# KiCad board AmigaPCI Mainboard.kicad_pcb (continued)
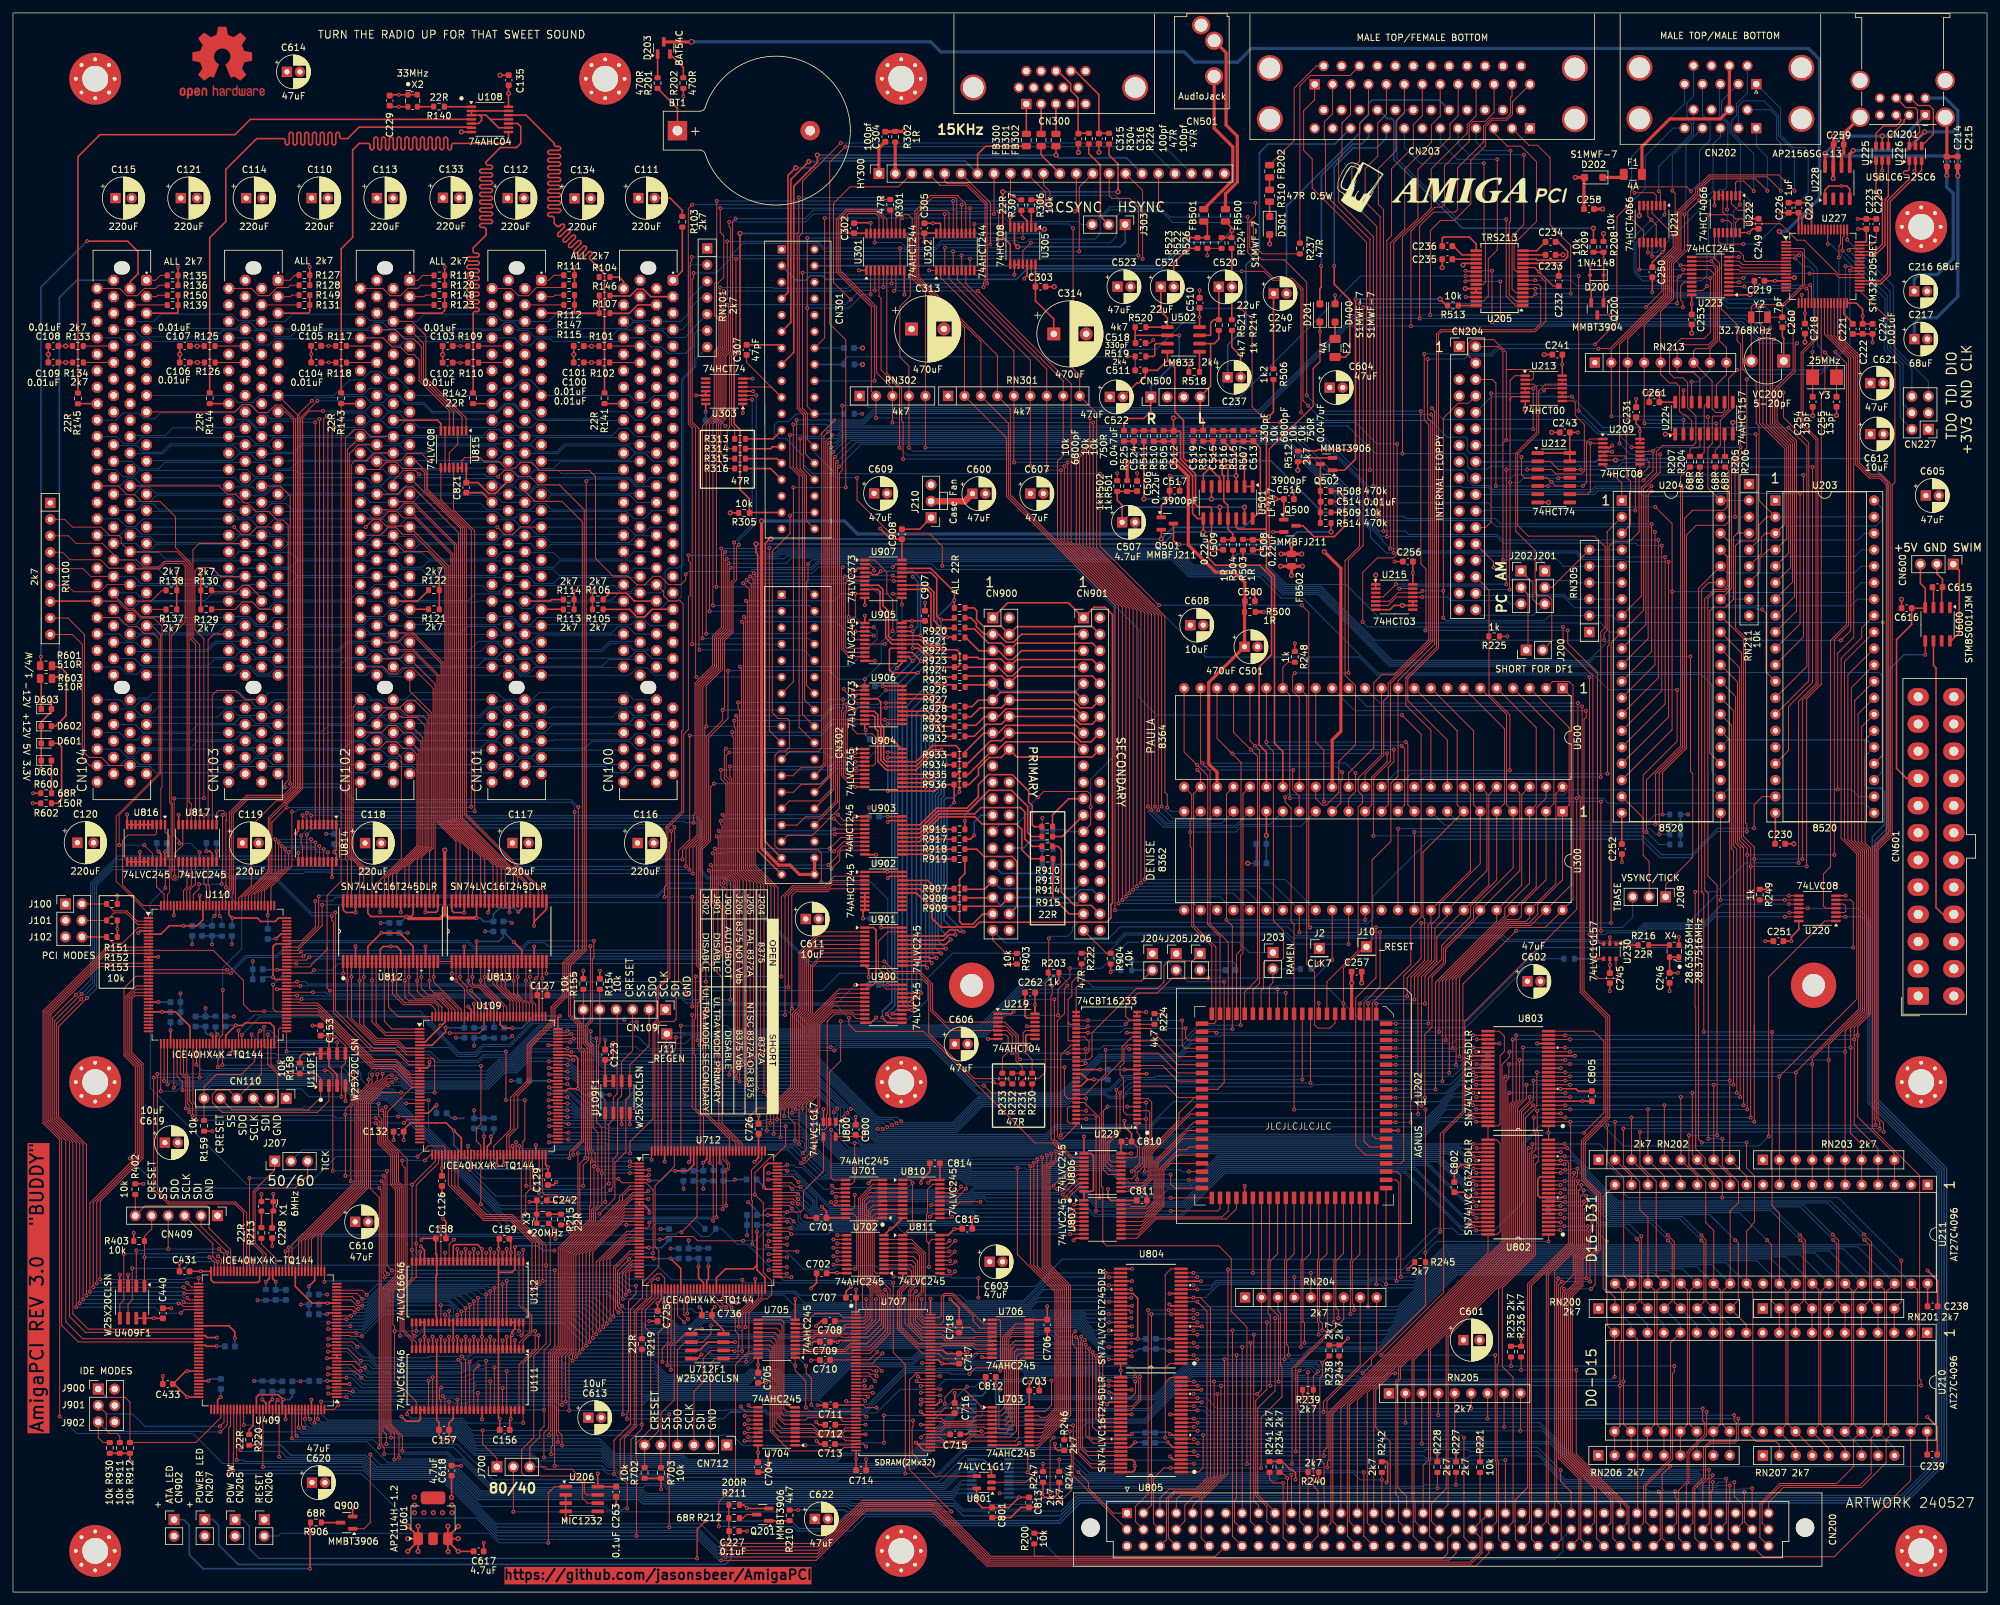
[diagram p0: board, top side]
## Routing (per net, layer and track width the routed paths; a pad name or vN(x,y) marks a point on that pad's centre or on a via; arc(x,y) is an arc through that point) (continued)
+5V: length 359.7
  Top w0.15: 9.22,189.86 v2(8.13,189.86) C109.1 ; 90.48,189.86 v2(89.33,189.86) C100.1 ; 49.81,192.43 v1(48.72,192.43) C105.1 ; R125.2 28.47,192.41 v2(28.45,192.38) 28.42,192.41 C107.1 ; C108.1 v2(8.13,192.41) R133.2 ; C103.1 v1(69.09,192.41) R109.2 ; C104.1 v1(48.74,189.86) 49.81,189.86 ; R224.1 v1(177.51,89.31) ; C101.1 89.31,192.41 v2(89.33,192.38) 89.36,192.41 R101.2 ; C106.1 v2(28.47,189.86) R126.2 ; C102.1 69.06,189.84 v1(69.09,189.81) 69.11,189.84 R110.2 ; U202.19 v1(201.61,90.94)
  Top w0.2: v1(230.75,147.57) 230.75,147.57 R225.1 ; U222.14 v1(268.02,209.91)
  Top w0.25: U812.42 54.8,104.81 55.29,104.31 v1(60.8,104.31) 61.47,104.31 61.78,104.63 U812.31 ; v1(129.99,119.77) 130,119.76 U903.1 ; v1(157.81,90.68) 157.8,90.67 U219.14 ; v1(157.81,90.68) 157.81,89.32 ; v1(157.81,90.68) 157.81,92.2 ; v1(3.05,121.81) 3.06,121.8 R600.1 ; 259.2,200.3 259.2,198.91 v1(259.21,198.9) 259.2,198.89 C253.1 ; R242.1 212.06,20.12 212.25,19.93 212.25,17.08 v1(212.07,16.9) ; U803.7 242.32,75.81 v1(242.32,75.81) 243.77,75.81 ; v1(112.69,182.08) 112.68,182.09 U303.1 ; U813.42 71.58,104.1 v1(71.57,104.09) ; v1(89.47,154.56) 89.47,154.55 R105.1 ; 216.15,159.12 v1(216.15,157.4) 216.15,155.61 ; R249.1 270.95,108.52 v1(270.96,108.52) ; C250.1 253.12,205.35 254.68,206.91 v1(254.7,206.91) 254.7,206.93 255.02,207.25 U221.14 ; 65.81,157.71 65.76,157.76 v1(65.83,157.76) 65.83,157.69 65.82,157.7 R122.1 R121.1 ; R247.1 v1(159.03,14.69) 159.08,14.63 160.81,14.63 161.54,15.37 R244.1 ; 238.35,206.48 v2(239.31,206.49) ; v2(254.2,185.1) C261.2 U224.16 ; R305.2 v2(110.76,166.65) ; v1(135.08,119.76) 135.08,119.76 U903.20 ; R236.1 v1(232.85,39.14) ; v1(78.03,105.04) 78.56,105.57 U813.31 ; CN103.A5 45.59,197.48 45.83,197.72 R131.1 R149.1 ; 25.47,200.24 25.47,197.58 25.38,197.48 CN104.A5 ; C249.1 268.63,210.51 v1(268.02,209.91) ; CN102.A5 66.25,197.48 66.66,197.89 R123.1 R148.1 ; R228.1 219.93,21.33 v1(219.94,21.34) ; R248.1 v1(197.92,146.5) ; C263.1 90.3,16.28 ; v1(160.88,22.89) 160.88,22.29 161.31,21.85 R246.1 ; v1(171.61,80.68) 173.55,80.68 ; U805.7 179.1,22.34 v1(178.31,23.13) ; 216.44,50.89 v1(215.41,49.85) ; U805.18 183.52,29.33 v1(183.54,29.31) ; U802.7 239.63,59.04 v1(239.63,59.04) ; R240.1 v1(201.6,17.22) ; U209.13 U209.14 251.21,179.22 v1(251.2,179.23) 251.21,179.24 251.21,179.81 250.62,180.4 C231.1 ; R129.1 R130.1 29.01,157.61 v1(28.99,157.63) ; R238.1 204.77,38.12 ; v1(199.11,29.96) 199.12,29.97 R239.1 ; Q201.2 113.37,12.91 v1(113.3,12.97) 112.81,13.46 R212.1 ; R107.1 R146.1 ; v1(106.96,182.27) 106.96,183.48 ; U803.18 241.15,82.79 v1(241.16,82.8) ; R227.1 222.81,21.33 v1(222.8,21.34) ; U205.11 238.15,205.17 238.66,204.66 v1(238.67,204.66) C232.1 ; v1(241.62,179.07) C243.2 U212.13 ; v1(25.29,157.54) R138.1 R137.1 ; U205.25 U205.24 224.24,201.27 v2(224.23,201.28) ; v1(239.58,66.08) 239.52,66.02 U802.18 ; R904.2 v1(169.48,95.7) ; D301.2 194.04,208.19 ; R147.1 R115.1 86.7,197.74 86.44,197.48 86.02,197.48 ; v1(156.15,202.82) 156.58,203.25 U305.12 ; U303.4 114.27,185.43 v1(114.28,185.42) ; 205.06,38.12 v1(206.12,39.18) ; C245.1 v1(246.56,96.83) 246.56,98 ; U804.18 178.61,46.1 v1(178.58,46.07) ; 137.24,111.21 v1(134.99,111.21) 134.97,111.19 U902.1 ; R903.2 v1(153.72,96.96) ; v1(167.84,80.69) 164.16,80.67 ; U213.14 239.21,189.56 v1(239.2,189.57) 239.21,189.59 239.21,191.06 ; R113.1 v1(86.64,154.55) ; v1(90.3,18.3) 90.29,18.3 U206.8 ; R235.1 232.84,37.95 ; v1(178.54,39.1) 180.35,39.1 ; v1(198.02,17.36) 198.04,17.38 198.04,18.38 197.51,18.91 197.21,18.91 195.96,20.16 R234.1 R241.1 ; 248.41,115.58 U204.20 ; U212.1 U212.14 ; 86.02,197.48 90.52,197.48 ; 86.02,197.48 CN101.A5 ; U209.4 v1(246.93,176.1) ; C238.1 U211.40 ; 272.12,115.59 272.12,120.26 ; C239.1 295.56,24.78 ; U300.19 v2(193.53,116.84) ; R306.1 v2(158.61,214.99)
  Top w0.5: R500.1 v1(193.14,151.35) ; v2(66.67,114.57) 66.67,104.71 ; 66.67,104.71 67.29,104.09 v1(71.57,104.09) ; 66.67,104.71 65.96,104 61.12,104 v1(60.8,104.31) ; v2(281.05,218.28) 281.06,218.29 U228.7 281.06,223.47 ; v2(137.64,225.56) 137.63,225.55 R302.2 ; C257.1 206.69,94.06 v2(206.7,94.05) 206.69,94.04 U202.15 ; C258.1 242.56,218.33 ; v2(281.1,224.82) 281.12,224.8 C259.1 ; C304.1 136.18,225.51 ; D202.2 v2(241.22,218.44)
  Bottom w0.15: R223.1 R229.1
  Bottom w0.25: C306.1 v1(106.96,182.27) ; v1(178.31,23.13) 176.34,23.13 ; v1(78.03,105.04) 77.47,105.6 75.09,105.6 74.18,104.69 C816.1 72.68,103.55 72.14,104.09 v1(71.57,104.09) ; R308.2 v2(131.18,189.56) ; v1(169.48,95.7) 169.8,96.02 R229.1 ; v1(134.99,111.21) 134.79,111.41 C902.1 ; 158.94,117.71 v1(158.94,119.52) ; 133.74,119.77 135.06,119.77 ; C807.1 178.53,39.11 v1(178.54,39.1) ; R300.2 v1(131.13,181.94) ; 59.81,103.33 v1(60.8,104.31) ; v2(201.71,97.07) 200.85,96.21 RJ203.1 ; v2(193.53,116.84) C301.1 ; v1(167.84,80.69) C267.1 v1(171.61,80.68) ; v1(239.63,59.04) 237.05,59.04
  vias: v2(194.03,208.18)
+12V: length 656
  Top w0.25: 4.29,142.86 4.29,144.41 v1(4.32,144.44) ; D400.2 v1(204.14,200.25) ; CN104.A2 18.08,202.33 19.31,203.56 19.31,206.99 17.7,208.6 v1(11.43,208.6) ; R503.1 v1(189.91,159.62)
  Top w1: J210.2 146.97,168.44 C600.1
  In3.Cu w0.25: 197.13,241.38 197.13,207.26 v1(204.14,200.25) 204.14,194.48 195.01,185.36 195.01,173.42 191.63,170.03 191.63,165.89 189.91,164.17 v1(189.91,159.62)
  In3.Cu w1: J210.2 129.06,181.14 129.06,196.62 126.13,199.55 ; 126.13,199.55 126.13,209.92 122.97,213.08 110.19,213.08 109.05,211.94 88.48,211.94 86.71,213.71 C134.1 ; 126.13,199.55 CN301.10
  In3.Cu w2: CN601.10 CN601.11 291.32,136.89 291.32,144.85 303.6,157.13 303.8,157.13 303.54,157.39 303.54,238.15 300.31,241.38 190.97,241.38 186.54,236.95 183.79,236.95 179.57,241.17 74.98,241.17 66.39,232.58 C133.1
  Bottom w0.25: v1(4.32,144.44) 4.32,201.49 v1(11.43,208.6)
-12V: length 622
  Top w0.2: R504.2 188.37,159.7 v1(188.38,159.69) ; D201.1 201.79,194.67 v1(201.81,194.65) 201.81,190.01 200.75,188.95 200.75,183.12 197.41,179.78 197.26,179.78 193.96,176.48 193.96,162.08 194.16,161.88 v1(194.16,160.22)
  Top w0.25: 5.95,141.32 v1(7.16,141.32)
  In2.Cu w0.2: 198.44,241.43 198.44,205.02 201.81,201.65 v1(201.81,194.65)
  In2.Cu w2: CN601.14 302.18,96.24 303.57,97.63 303.57,238.16 300.3,241.43 191.02,241.43 186.54,236.95 183.75,236.95 179.45,241.25 63.61,241.25 ; 63.61,241.25 54.41,241.25 C121.2 ; 63.61,241.25 54.21,241.25 47.66,234.7 47.61,234.75 C614.2
  Bottom w0.2: v1(194.16,160.22) 191.78,160.22 191.68,160.32 189.01,160.32 v1(188.38,159.69)
  Bottom w0.25: v1(7.16,141.32) 7.16,199.88 9.84,202.56 CN104.B1
/Agnus Multiadapter/GND_PAL_NTSC: length 34.7
  Top w0.15: U202.41 185.97,77.62 187.01,78.66 v1(187.01,94.25)
  Bottom w0.15: v1(187.01,94.25) 181.39,94.25 J205.2 178.35,97.3 172.99,97.3
/HID and User Ports/+5VMOUSE: length 26.9
  Top w0.5: F1.2 251.51,223.19 255.81,227.48 263.61,227.48 CN202.16 CN202.7
/HID and User Ports/VBUS1: length 67
  Top w0.25: U225.5 288.61,224.82 v2(288.62,224.83) ; 279.79,222.14 v2(279.78,222.15)
  Top w0.5: C214.1 298.59,218.75 v2(298.58,218.74) ; U228.8 279.79,222.14
  Bottom w0.5: C216.1 293.54,202.72 294.27,203.45 297.11,203.45 299.59,205.93 299.59,215.96 298.58,216.97 v2(298.58,218.74) 298.58,221.23 298.05,221.76 280.17,221.76 v2(279.78,222.15) 282.46,224.83 v2(288.62,224.83) 292.02,224.83 CN201.1
/HID and User Ports/VBUS2: length 70
  Top w0.25: U226.5 293.75,224.06 v2(295.17,225.48)
  Top w0.5: v2(284.15,222.61) 283.6,222.06 U228.5 ; C215.1 300.25,218.73 v2(300.29,218.69)
  Bottom w0.5: CN201.5 298.35,230.7 300.29,228.76 300.29,226.25 ; C217.1 293.57,195.91 294.43,196.77 297.01,196.77 300.29,200.05 v2(300.29,218.69) 300.29,226.25 ; v2(284.15,222.61) 292.3,222.61 v2(295.17,225.48) 299.52,225.48 300.29,226.25
/Power and Spares/+5VSB: length 38.9
  Top w0.25: 293.15,151.92 295.25,151.92 295.25,155 294.51,155.74 CN600.3 ; C616.1 293.15,149.4 290.82,147.07 290.82,127.19 292.38,125.64 CN601.9
GND: length 917.1
  Top w0.15: v1(174.96,89.56) 174.96,89.56 U229.28 ; v1(263.96,211.8) 264.88,211.8 265.32,211.36 U222.12 ; v1(266.47,206.16) 266.46,206.15 U223.10 ; U707.12 132.35,37.35 135.05,40.05 135.05,46.3 v1(134.64,46.7) ; U227.18 v1(276.2,200.3) ; U807.19 172.42,59.83 172.72,59.53 174.81,59.53 175.08,59.8 C811.2 ; U707.6 131.56,40.35 133.23,42.01 v1(133.23,45.22) ; v1(140.29,45.22) 140.29,45.22 140.29,43.81 140.01,43.53 140.01,42.52 140.68,41.85 U707.84 ; v1(31.67,51.86) 32.21,51.32 32.21,50.79 32.09,50.67 U409.69 ; v1(123.23,35.75) 123.32,35.84 C710.2 ; v1(149.54,204.09) 149.54,204.09 U302.10 ; v1(131.78,27.07) 131.5,27.35 U707.32 ; U806.19 173.31,67.07 173.61,67.37 173.61,68.69 C810.2 ; U209.7 248.41,171.23 U204.1 ; U302.1 141.47,204.09 v1(141.47,204.09) ; v1(132.42,211.44) 132.42,211.44 U301.19 ; U111.53 U111.54 ; 38.76,84.75 38.76,87.25 v1(38.77,87.25) ; v1(137.73,45.22) 137.73,41.5 140.38,38.85 U707.78
  Top w0.2: C232.2 237.8,201.68 v1(235.58,203.9) 234.96,204.52 U205.10 ; U805.25 v1(171.03,34.23) U804.48
  Top w0.25: v1(172.79,48.01) 172.79,48 U804.28 ; U805.48 172.83,18.53 173.2,18.9 v1(173.2,19.5) 173.2,20.06 172.82,20.44 U805.45 ; C821.1 72.46,169.77 CN101.B28 ; C129.2 83.45,62.86 v1(83.91,63.32) ; C615.2 297.92,156.4 297.05,157.27 CN600.2 ; v1(124,41.08) 124.77,41.85 C708.2 ; v1(166.9,79.14) 165.91,79.14 ; 165.91,79.14 165.01,80.04 U229.44 ; 165.91,79.14 164.9,78.13 U229.47 ; U110.86 40.76,93.09 v1(40.75,93.08) ; v1(86.7,204.62) R111.2 R112.1 ; X2.2 59.6,229.36 v1(59.59,229.37) 59.58,229.36 58.33,229.36 ; 62.56,6.3 v2(62.55,6.29) ; 67.97,37.5 67.97,38.87 ; v1(295.61,49.65) 297.17,48.09 C238.2 ; v1(73.48,94.47) 73.48,94.47 U813.10 ; U206.2 U206.3 85.34,11.13 v1(85.36,11.12) ; U111.25 v1(63.53,39.43) U112.32 62.9,41.65 ; v1(80.46,102.88) 80.47,102.88 80.47,103.43 ; U109F1.4 95.25,72.2 v1(95.24,72.2) ; U109.14 U109.13 63.99,80.94 64.31,81.26 v1(64.31,81.83) ; U816.4 U816.10 17.63,120.06 v1(17.62,120.07) ; v1(19.33,101.79) 19.63,102.09 U110.5 ; U814.10 44.07,117.53 v1(43.66,117.12) ; v1(243.5,204.83) D200.2 243.5,201.06 243.68,200.88 Q200.2 ; R128.1 v1(45.83,204.63) ; v2(265.55,180.6) 265.54,180.59 U224.8 ; U111.32 62.9,28.1 62.9,26.64 62.64,26.39 60.7,26.39 v1(59.98,27.11) ; v1(238.99,67.93) 238.99,67.93 U802.21 ; C907.2 v1(140.82,152.78) ; v1(33.46,83.2) 33.84,83.58 U110.59 ; 82.43,60.23 83.66,60.23 v1(83.69,60.25) ; C802.2 223.96,61.75 v1(224.78,60.93) 224.79,60.94 227.75,60.94 ; U303.7 v1(114.21,187.38) ; C108.2 v2(5.46,191.11) C109.2 ; v1(239.63,61.01) 239.23,61.01 239.16,60.94 U802.10 235.75,60.94 235.44,61.25 235.44,63.81 235.75,64.12 U802.15 ; C715.2 147.22,24.35 147.71,24.84 v1(149.54,24.84) ; C500.2 v2(191.76,154.38) ; U219.9 156.51,86.06 156.38,85.93 156.38,84.34 v1(156.83,83.89) ; U707.58 142.56,28.85 v1(143.24,29.52) ; v1(124,26.27) 124.43,25.84 C712.2 ; C226.1 C220.2 277.18,214.54 277.7,214.02 277.7,212.85 v1(277.71,212.84) ; v1(151.08,19.22) 151.08,19.22 U801.3 ; v1(135.08,110.25) 135.37,110.54 U902.19 ; U220.7 v1(282.97,107.53) ; v1(171.61,72.76) 171.61,71.9 172.71,70.8 C810.2 ; R203.2 161.49,94.25 v1(161.48,94.24) ; C714.2 v1(131.72,20.5) ; v1(72.68,7.6) 72.69,7.59 C617.1 ; X1.2 38.35,61.45 v1(38.36,61.46) ; U712.69 114.62,48.35 v1(114.62,48.35) ; C228.2 v1(40.02,53.41) ; v1(277.71,212.84) 277.7,212.83 U227.60 ; v1(277.71,212.84) 276.96,212.84 276.2,212.08 U227.63 ; U409.103 v1(30.18,32.61) ; R136.1 R135.2 v1(25.48,204.57) ; v1(62.97,53.38) 63.53,52.82 U112.25 ; v1(51.34,75.81) 51.34,75.81 51.34,78.19 ; v1(109.54,45.27) 109.62,45.35 U712.59 ; U219.13 156.54,88.66 156.26,88.94 156.26,90.69 v1(156.27,90.69) 156.26,90.69 156.26,92.56 ; U812.10 56.71,99.24 57.15,99.69 v1(58.3,99.69) 59.24,99.69 59.88,99.05 U812.15 ; U229.27 U229.28 ; v1(120.78,45.25) 120.77,45.24 U705.10 ; X4.2 257.23,101.16 v1(257.22,101.16) ; v1(132.42,211.44) 129.94,211.44 ; C219.2 268.89,200.96 268.24,200.3 268.23,200.3 v2(268.2,200.33) 268.18,200.3 U223.1 ; U803.28 229.53,84.7 v1(229.53,84.7) ; U109.132 70.73,89.97 v1(70.31,90.39) ; C127.2 v1(82.51,93.44) ; 273.62,115.54 274.94,115.54 v2(274.95,115.53) ; 233.49,183.92 233.49,182.64 v2(233.5,182.62) ; U219.1 154.16,89.31 v1(154.5,89.65) ; U813.39 73.48,105.08 v1(73.35,104.95) ; v1(106.3,36.69) 105.66,36.05 U712F1.4 ; C246.2 v1(255.78,92.79) ; v1(163.77,54.32) 164.08,54.63 U807.10 ; U813.15 76.66,94.9 v1(76.65,94.89) ; v1(224.89,57.13) 224.89,57.13 227.75,57.13 ; 60.97,8.24 v2(60.96,8.23) ; C805.2 241.66,77.35 241.3,77.71 v1(238.97,77.71) 238.97,77.71 U803.10 ; v1(104.38,66.4) 104.62,66.64 U712.132 ; v1(155.4,23.02) 155.04,22.66 U703.10 ; U226.2 293.75,219.59 293.6,219.44 v1(293.59,219.44) ; U202.58 v1(190.18,62.73) ; C303.2 v2(160.78,201.57) ; 80.47,103.43 80.47,103.53 82.37,105.43 U813.25 ; 80.47,103.43 U813.28 ; v1(34.25,39.22) 34.25,40.19 33.34,41.11 U409.86 ; R120.1 R119.2 66.66,204.58 v1(66.67,204.59) ; C106.2 v2(25.76,191.13) C107.2 ; v1(4.36,127.11) 4.37,127.11 D602.1 4.37,134.38 5.94,135.96 D603.2 5.94,137.68 v1(5.96,137.7) ; C707.2 128.61,46.41 v1(129.37,47.17) ; U804.15 178.79,44.19 v1(178.55,44.43) ; C263.2 93.13,13.46 v1(93.14,13.45) ; v1(69.21,19.51) 69.21,19.51 C618.1 ; v1(235.33,84.7) 235.33,84.7 U803.21 ; U812.28 v1(63.69,104.97) 65.32,104.97 65.59,105.24 U812.25 ; U112.39 67.97,38.88 v1(67.97,38.87) ; C158.2 66.84,57.21 v1(66.39,57.66) ; 76.5,234.22 v2(75.2,234.22) ; v1(82.65,84.45) 82.66,84.44 U109.103 ; C801.2 154.05,11.5 155.63,13.08 155.63,13.07 C813.2 158.13,13.07 v1(158.14,13.08) ; U112.46 v1(72.42,39.43) U111.11 ; U409.140 v1(46.09,29.7) ; U409.59 37.09,51.27 v1(37.1,51.28) ; U112.53 U112.54 77.5,40.64 77.05,40.19 v1(77.05,39.68) 76.87,39.5 U111.4 ; v1(105.45,184.78) U303.12 U303.11 ; U813.34 76.66,104.98 v1(76.66,104.98) ; 148.12,56.11 148.12,57.81 v1(148.12,57.81) ; 52.9,97.37 52.9,99.7 v1(52.89,99.71) ; v1(119.6,29) 120.09,28.51 U704.10 ; v1(49.27,110.38) 49.28,110.39 U814.19 ; v1(83.76,54.55) 83.76,55.87 X3.2 ; C235.2 v2(220.68,204.52) ; C431.2 25.71,50.77 v1(25.7,50.78) ; U802.4 238.9,57.13 v1(238.96,57.07) ; U111.53 76.87,26.72 v1(76.86,26.72) 76.7,26.56 C156.2 ; U707.86 v1(141.66,45.27) ; C716.2 v1(145.41,30.74) ; U816.19 22.83,114 v1(22.49,114.34) ; v1(178.64,27.43) 178.64,27.43 U805.15 ; v1(183.43,48) 183.43,48 U804.21 ; C713.2 124.55,22.85 v1(124.08,23.32) ; U110.140 24.84,104.48 v1(24.83,104.47) ; U202.82 v1(213.9,71.27) ; U906.10 131.53,133.24 v1(131.65,133.12) ; C223.2 C225.1 ; C104.2 v1(46.05,191.16) 46.05,192.41 ; 130.13,71.89 130.13,73.38 v1(130.12,73.39) ; v2(237.1,168.25) 237.1,168.25 U212.7 ; v1(133.07,143.8) 133.06,143.79 U905.10 ; U301.10 137.62,200.36 v1(137.64,200.34) ; v1(224.86,67.92) 224.86,67.92 227.74,67.92 ; U109.140 66.73,88.05 66.16,87.48 v1(65.98,87.48) 65.98,87.3 63.62,84.94 U109.5 ; U804.10 v1(183.58,41.02) ; C717.2 143.46,35.27 v1(143.45,35.28) 142.88,35.85 U707.72 ; v1(69.66,99.69) 69.67,99.67 U813.4 ; v1(132.08,63.13) 132.58,63.62 U701.10 ; 103.35,212.42 103.35,213.37 101.47,215.25 C111.2 ; v1(135.08,118.91) 135.28,119.11 U903.19 ; C123.1 v1(91.44,85.25) ; U215.10 U215.9 v2(214.53,152.35) 213.26,152.35 212.61,151.7 U215.7 ; v1(248.43,112.7) 248.42,112.71 C252.1 ; U803.15 238.99,80.89 v1(238.99,80.89) ; v1(183.48,31.24) 183.48,31.24 180.36,31.24 ; v1(56.71,104.97) 56.71,104.97 U812.39 ; C103.2 v2(66.34,191.08) C102.2 ; U712.103 v1(116.57,63.7) ; 62.56,10.15 v2(62.55,10.16) ; U812.34 v1(59.88,104.97) ; U222.7 v1(262.72,214.1) ; 297.8,151.92 297.8,155 ; C315.2 164.51,222.3 v2(164.51,222.3) ; U712.13 U712.14 97.51,59.7 98.26,58.95 v1(98.26,58.57) ; 246.56,99.9 v1(246.56,101.1) ; C227.2 v1(113.35,9.41) ; R200.2 v1(158.99,9.09) ; C224.2 v1(287.12,192.94) ; U409.132 v1(42.09,26.66) ; v1(171.96,86.38) 171.97,86.39 U229.23 ; C260.2 273.2,193.84 273.4,193.64 VC200.1 ; v1(150.18,31.89) 150.18,33.2 ; U902.6 U902.10 131.26,105.07 v1(131.26,104) ; 238.82,179.07 v2(237.57,179.07) ; U707.44 140.65,21.85 v1(139.42,23.08) 139.65,22.85 U707.46 ; J210.1 139.99,164.13 C908.2 ; U110.14 U110.13 v1(22.42,98.09) ; R208.2 245.57,209.77 v2(245.58,209.78) ; v1(238.99,73.9) 238.99,73.9 U803.4 ; U707.38 v1(131.65,24.35) ; v1(172.74,31.24) 172.73,31.24 171.03,31.24 ; U111.46 v1(72.42,26.67) ; U900.10 132.5,87.91 v1(133.3,88.71) ; C239.2 297.11,25.49 v1(295.58,27.02) ; v1(98.2,64.4) 98,64.2 U712.5 ; U224.15 257.92,185.57 v1(257.93,185.58) ; C316.2 v2(167.67,222.32) ; v1(115.12,73.57) 115.12,73.56 C726.2 ; C307.2 118.2,192.59 CN301.13 ; U109.69 v1(80.73,69.01) ; U409.5 v1(51.95,32.11) ; v1(40.65,100.91) 41.33,101.59 U110.103 ; U227.12 v2(275.05,202.97) ; v1(144.75,45.22) 146.1,43.87 C718.2 ; C811.2 175.08,61.21 v1(174.55,61.75) ; U221.7 v2(251.12,212.54) ; C261.1 v2(252.65,185.1) ; v2(210.41,157.04) 210.41,157.04 U215.2 ; v1(116.61,21.11) 116.61,19.21 115.91,18.51 C704.2 ; v1(46.26,87.48) 46.26,87.47 C153.1 ; U225.2 v1(288.61,219.54) ; U707.52 v1(140.16,25.85) ; U803.34 224.88,80.89 v1(224.88,80.89) ; v1(178.63,24.4) 178.79,24.25 U805.10 ; U109.86 v1(82.69,75.94) ; v1(175.03,80.04) 175.03,80.04 U229.13 ; C709.2 123.6,38.66 v1(123.26,38.32) ; C440.1 24.42,43.82 v1(24.43,43.81) ; v1(130.02,124.34) 130.03,124.33 U904.10 ; v1(125.15,74.58) 125.14,74.57 U800.3 ; v2(259.19,194.38) 259.2,194.39 C253.2 ; 52.9,106.7 52.9,104.94 v1(52.9,104.94) 51.41,104.94 50.99,105.36 U812.48 ; U804.39 v1(172.77,41.02) ; v1(122.41,58.04) 122.68,57.77 C701.2 ; U816.16 U816.11 ; U804.25 v1(172.79,49.91) ; v1(132.12,94.97) 132.12,96.16 U901.10 ; v2(69.24,225.48) 69.26,225.46 U108.7 ; U301.1 130.63,204.09 v1(130.63,204.09) ; C101.2 v2(86.59,191.11) C100.2 ; U810.10 135.75,56.12 v1(135.51,56.12) 134.48,55.09 ; v1(29.87,114.4) 30.4,114.4 30.78,114.02 U817.19 ; U805.4 179.17,20.44 v1(178.66,20.94) ; v1(224.86,64.11) 224.86,64.11 227.74,64.11 ; v1(140.21,63.19) 140.21,63.56 141.56,64.91 C814.2 ; U804.34 172.77,44.19 v1(172.78,44.2) ; U205.18 224.17,205.17 223.92,204.92 v2(223.9,204.92) ; U805.34 172.73,27.43 v1(172.74,27.43) ; U409.14 U409.13 48.51,36.11 v1(48.5,36.1) ; U811.10 137.4,48.14 v1(137.4,48.14) ; v2(153.97,212.38) 153.98,212.37 U305.7 ; U706.10 149.7,36.19 v1(149.63,36.27) ; U302.19 143.22,211.26 143.11,211.37 v1(142.04,211.37) C305.2 ; C241.1 v2(236.43,191.07) ; U805.39 172.58,24.25 v1(172.74,24.4) ; C251.2 v1(270.56,100.51) ; R221.1 v1(226.52,23.78) ; 76.85,51.04 76.85,52.4 ; U804.45 172.73,37.21 v1(172.74,37.2) ; U712.140 100.62,66.47 v1(100.62,66.46) ; U804.4 v1(178.59,37.21) ; U907.10 v1(131.53,152.42) ; U817.10 v1(25.58,120.03) ; C222.2 287.12,194.27 ; C616.2 291.6,153.28 v2(291.59,153.29) ; U409F1.4 v1(16.5,49) ; C231.2 250.62,184.24 v1(250.63,184.25) ; U803.45 224.91,73.9 v1(224.9,73.91) ; C245.2 v1(246.56,92.78) ; v1(75.73,65.94) U109.59 ; C711.2 v1(124.22,28.84) ; U112.18 67.97,53.4 68.22,53.65 71.74,53.65 v1(72.42,52.97) 72.42,51.04 ; v1(123.24,46.9) 124.07,47.74 C702.2 ; v1(80.48,99.69) 80.47,99.67 U813.21 ; v1(76.86,52.41) 76.86,54.34 ; U807.1 U806.10 166.62,61.88 166.83,62.09 166.83,67.38 166.49,67.72 165.36,67.72 165.36,70.34 v1(165.36,70.34) ; U712.86 v1(116.62,55.2) ; v1(253.11,200.7) 253.12,200.71 C250.2 ; 286.17,212.04 284.83,212.04 ; v1(133.25,113.86) 131.58,113.86 ; v1(67.95,23.56) 67.32,24.19 C157.2 67.32,26.11 67.97,26.76 U111.39 ; U816.14 v1(19.58,114.31) ; C255.2 v2(281.56,181.7) ; v1(116.34,32.32) 116.31,32.31 C705.2 ; C736.1 106.38,43.62 v1(106,44) ; C256.1 v1(213.31,159.13) ; U803.39 224.83,77.71 v1(224.83,77.71) ; U219.7 v1(150.54,85.41) ; C703.2 v1(158.46,32.38) ; C706.2 v1(159.69,39.24) ; U813.48 67.77,105.23 68.07,104.93 v1(69.67,104.93) 69.67,104.93 U813.45 ; U110.132 v1(28.84,107.54) ; U815.7 66.07,180.42 65.53,180.96 CN102.A18 ; C218.2 v2(276.68,193) ; C433.2 v1(23.14,33.38) ; C725.2 v1(98.23,41.85) ; C254.2 v2(277.88,181.66) ; C132.2 v1(58.77,69.8) ; C126.2 v1(66.23,61.47) ; U812.21 v1(63.69,99.69) ; C249.2 v1(268.25,212.06)
  Top w0.3: 62.56,8.58 v2(60.97,10.17) ; U601.1 62.56,6.3 ; U601.1 60.97,8.24 ; U601.1 62.56,10.15 ; 62.56,7.88 v2(60.97,6.29)
  Top w0.5: FB502.2 v2(199.09,158.4) ; FB502.2 v2(197.4,156.98) ; FB502.2 v2(195.72,158.4) ; U228.6 282.33,221.89 282.67,222.23 C259.2 282.67,225.2 CN201.9 ; C257.2 v2(208.24,94.05) ; HY300.1 133.7,222.98 C304.2 ; 298.59,227.47 C214.2 300.25,221.66 ; C258.2 v2(245.45,213.56)
  Bottom w0.15: C213.1 188.75,97 188.38,97.37 180.81,97.37 J205.1 ; C904.2 132.19,121.12
  Bottom w0.25: 69.67,73.14 68.26,73.14 v1(68.24,73.17) 67.71,73.17 C124.2 ; v1(113.35,55.1) 113.32,55.12 C724.2 ; C148.2 v1(27.67,100.03) ; C719.2 111.25,63.5 v1(111.45,63.7) C720.2 ; C803.2 226.58,81.24 226.23,80.89 v1(224.88,80.89) ; U809.10 149.83,20.46 v1(151.08,19.22) ; C130.2 68.43,85.59 v1(68.41,85.61) ; C820.1 48.37,117.07 v1(48.36,117.08) ; C727.2 v1(99.98,56.05) ; C804.2 238.82,60.6 239.24,61.01 v1(239.63,61.01) ; C429.2 34.27,39.2 v1(34.25,39.22) ; C146.2 34.11,88.88 v1(34.12,88.89) ; C128.2 92.11,76.8 v1(92.12,76.79) ; C902.2 133.24,113.85 v1(133.25,113.86) ; v1(77.08,85.86) 76.8,85.58 C131.2 ; C125.2 76.91,78.94 v1(76.89,78.96) ; v1(131.65,133.12) 131.65,132.34 C905.2 ; C901.2 v1(131.26,104) ; CN900.30 156.02,114.88 157.22,116.08 159.67,116.08 160.59,115.16 160.59,114.67 ; v1(40.65,100.91) 40.58,100.84 C141.2 ; C434.2 44.47,44.42 v1(44.46,44.41) ; C306.2 109.17,180.92 v1(110.01,180.08) ; C435.2 v1(44.4,32.54) 44.45,32.59 C432.2 ; v1(132.12,94.97) 132.12,94.97 C900.2 ; v1(152.33,15.26) 152.33,15.26 U809.19 ; C722.2 103.53,62.3 v1(103.55,62.27) ; U808.10 149.63,30.3 150.18,30.85 v1(150.18,31.89) ; v1(130.01,140.14) 130.3,139.85 C906.2 ; v1(60.96,101.8) 60.94,101.78 C817.2 ; v1(172.74,37.2) 173.41,37.2 173.77,37.56 C809.2 C807.2 177.81,37.56 178.16,37.21 v1(178.59,37.21) ; v1(152.47,31.28) 152.2,31.01 152.2,25.2 152.3,25.1 U808.19 ; R312.1 R303.1 258.65,120.07 v1(258.65,120.07) ; v1(22.49,114.34) 22.2,114.63 C822.1 ; v1(178.63,24.4) 178.36,24.68 173.01,24.68 v1(172.74,24.4) ; C147.2 37.01,97.42 v1(37.02,97.43) ; C430.2 45.69,44.41 ; C421.2 48.49,45.94 v1(48.5,45.95) ; C823.1 v1(29.87,114.4) ; v1(77.03,103.33) 76.81,103.55 C819.2 ; C818.2 56.79,103.33 v1(56.78,103.32) ; C723.2 v1(101.55,53.05) ; v1(72.89,102.01) 72.9,102 C816.2 ; v2(190.65,112.52) 190.66,112.53 C301.2 C300.2 ; C420.2 30.48,32.91 v1(30.18,32.61) ; C143.2 25.87,92.43 v1(25.86,92.44) ; v1(166.9,79.14) 166.9,79.13 C267.2 ; 129.85,192.11 v2(131.19,192.11) ; C144.2 v1(33.8,100.04)
  vias: v1(132.18,121.13) v1(284.82,212.05)
+AUD: length 69.1
  Top w0.5: v2(178.83,174.41) 179.35,174.41 181.47,172.29 181.47,161.7 185.69,157.48 188.6,157.48 190.21,155.87 C500.1 ; 190.15,152.94 R500.2 C501.1 184.62,140.44 184.62,127.88 185.91,126.58 U500.27 ; v2(172.07,174.41) 172.03,174.37 R501.1
  Bottom w0.5: v2(172.07,174.41) v2(178.83,174.41)
+AV: length 15.8
  Top w0.25: Q502.2 200.18,175.13 199.6,174.55 R512.1 ; 183.2,195.32 183.2,196.88 v1(183.2,196.88) 183.2,196.88 183.2,198.27 ; R503.2 191.39,162.54 ; U501.4 v2(187.6,173.8) ; C508.1 v2(192.81,162.49) ; v2(198.38,173.23) 198.38,174.55
+VID: length 159.1
  Top w0.25: 131.76,209.82 C302.1 128.87,209.82 128.59,210.1 v1(128.59,210.58) ; 140.73,209.86 142.52,209.86 ; C314.1 160.7,196.57 157.87,199.4 C303.1 ; v1(140.72,208.46) 140.73,208.47 C305.1 ; U305.14 157.88,201.58
  Top w0.5: R302.1 136.22,219.06
  In2.Cu w0.25: v1(140.72,208.46) 138.82,208.46 138.76,208.52 ; 138.76,210.69 138.65,210.58 v1(128.59,210.58) ; RN301.1 144.38,189.4 C313.1 138.74,193.77 130.72,185.75 RN302.1
  In2.Cu w0.5: 161.77,217.06 161.77,195.35 C314.1 ; 161.77,217.06 138.22,217.06 137.65,217.63 ; 161.77,217.06 182.52,217.06 HY300.21 ; 138.76,194.32 138.76,216.52 137.65,217.63 ; 137.65,217.63 HY300.2
-AV: length 70.4
  Top w0.25: U502.4 178.25,190.2 ; 178.25,190.2 179.39,189.06 179.39,182.27 180.73,180.93 180.73,175.12 181.16,174.69 186.7,174.69 ; 178.25,190.2 176.7,188.65 C511.2 174.82,187.66 173.88,186.72 173.54,186.72 C522.2 ; v1(204.79,166.72) R509.2 ; 186.7,174.69 v1(187.94,174.69) ; 186.7,174.69 186.7,172.62 186.95,172.37 186.95,168.41 187.6,167.77 U501.11 187.6,164.13 188.37,163.36 R504.1 ; C509.2 188.32,162.49
  Bottom w0.25: v1(204.79,166.72) 202.2,166.72 194.23,174.69 v1(187.94,174.69)
/Agnus Multiadapter/7MHz: length 15.3
  Top w0.15: U229.32 163.2,87.66 162.9,87.95 ; R222.2 165,95.69 163.49,94.19 163.49,92.08 162.9,91.49 162.9,87.95 ; U229.36 163.01,85.12 162.9,85.22 162.9,87.95
/Agnus Multiadapter/7MHz_CDAC: length 11.8
  Top w0.15: U229.24 175.51,87.02 179.83,82.7 U202.37
/Agnus Multiadapter/_ARAMEN: length 11.4
  Top w0.15: U202.25 193.99,93.57 194.54,94.12 J203.2
  Bottom w0.15: RJ203.2 J203.2
/Agnus Multiadapter/A20_XCLK: length 21.3
  Top w0.15: v1(165.99,86.39) 165.99,86.39 U229.34 ; U202.35 181.42,85.24 181.05,85.61 v1(181.05,87.05)
  Bottom w0.15: v1(181.05,87.05) 171.64,87.05 170.98,86.39 v1(165.99,86.39)
/Agnus Multiadapter/CASL_UDS: length 21
  Top w0.15: v1(172.73,64.98) 172.73,64.99 173.96,66.22 173.96,70.57 173.56,70.97 U229.1 ; U202.53 179.37,62.38 178.75,63 v1(178.75,64.47)
  Bottom w0.15: v1(178.75,64.47) 176.9,64.47 176.82,64.39 174.52,64.39 173.94,64.98 v1(172.73,64.98)
/Agnus Multiadapter/CASU_CASL: length 34.3
  Top w0.15: U229.51 165.42,75.59 167.75,73.26 v1(167.75,60.88) ; v1(178.76,60.87) 178.76,60.87 U202.54
  Bottom w0.15: v1(178.76,60.87) 167.76,60.87 v1(167.75,60.88)
/Agnus Multiadapter/CCK_CCKQ: length 11.3
  Top w0.15: U229.18 176.83,83.21 179.88,80.16 U202.39
